# KiCad board mtk64_R_rev2.kicad_pcb (continued)
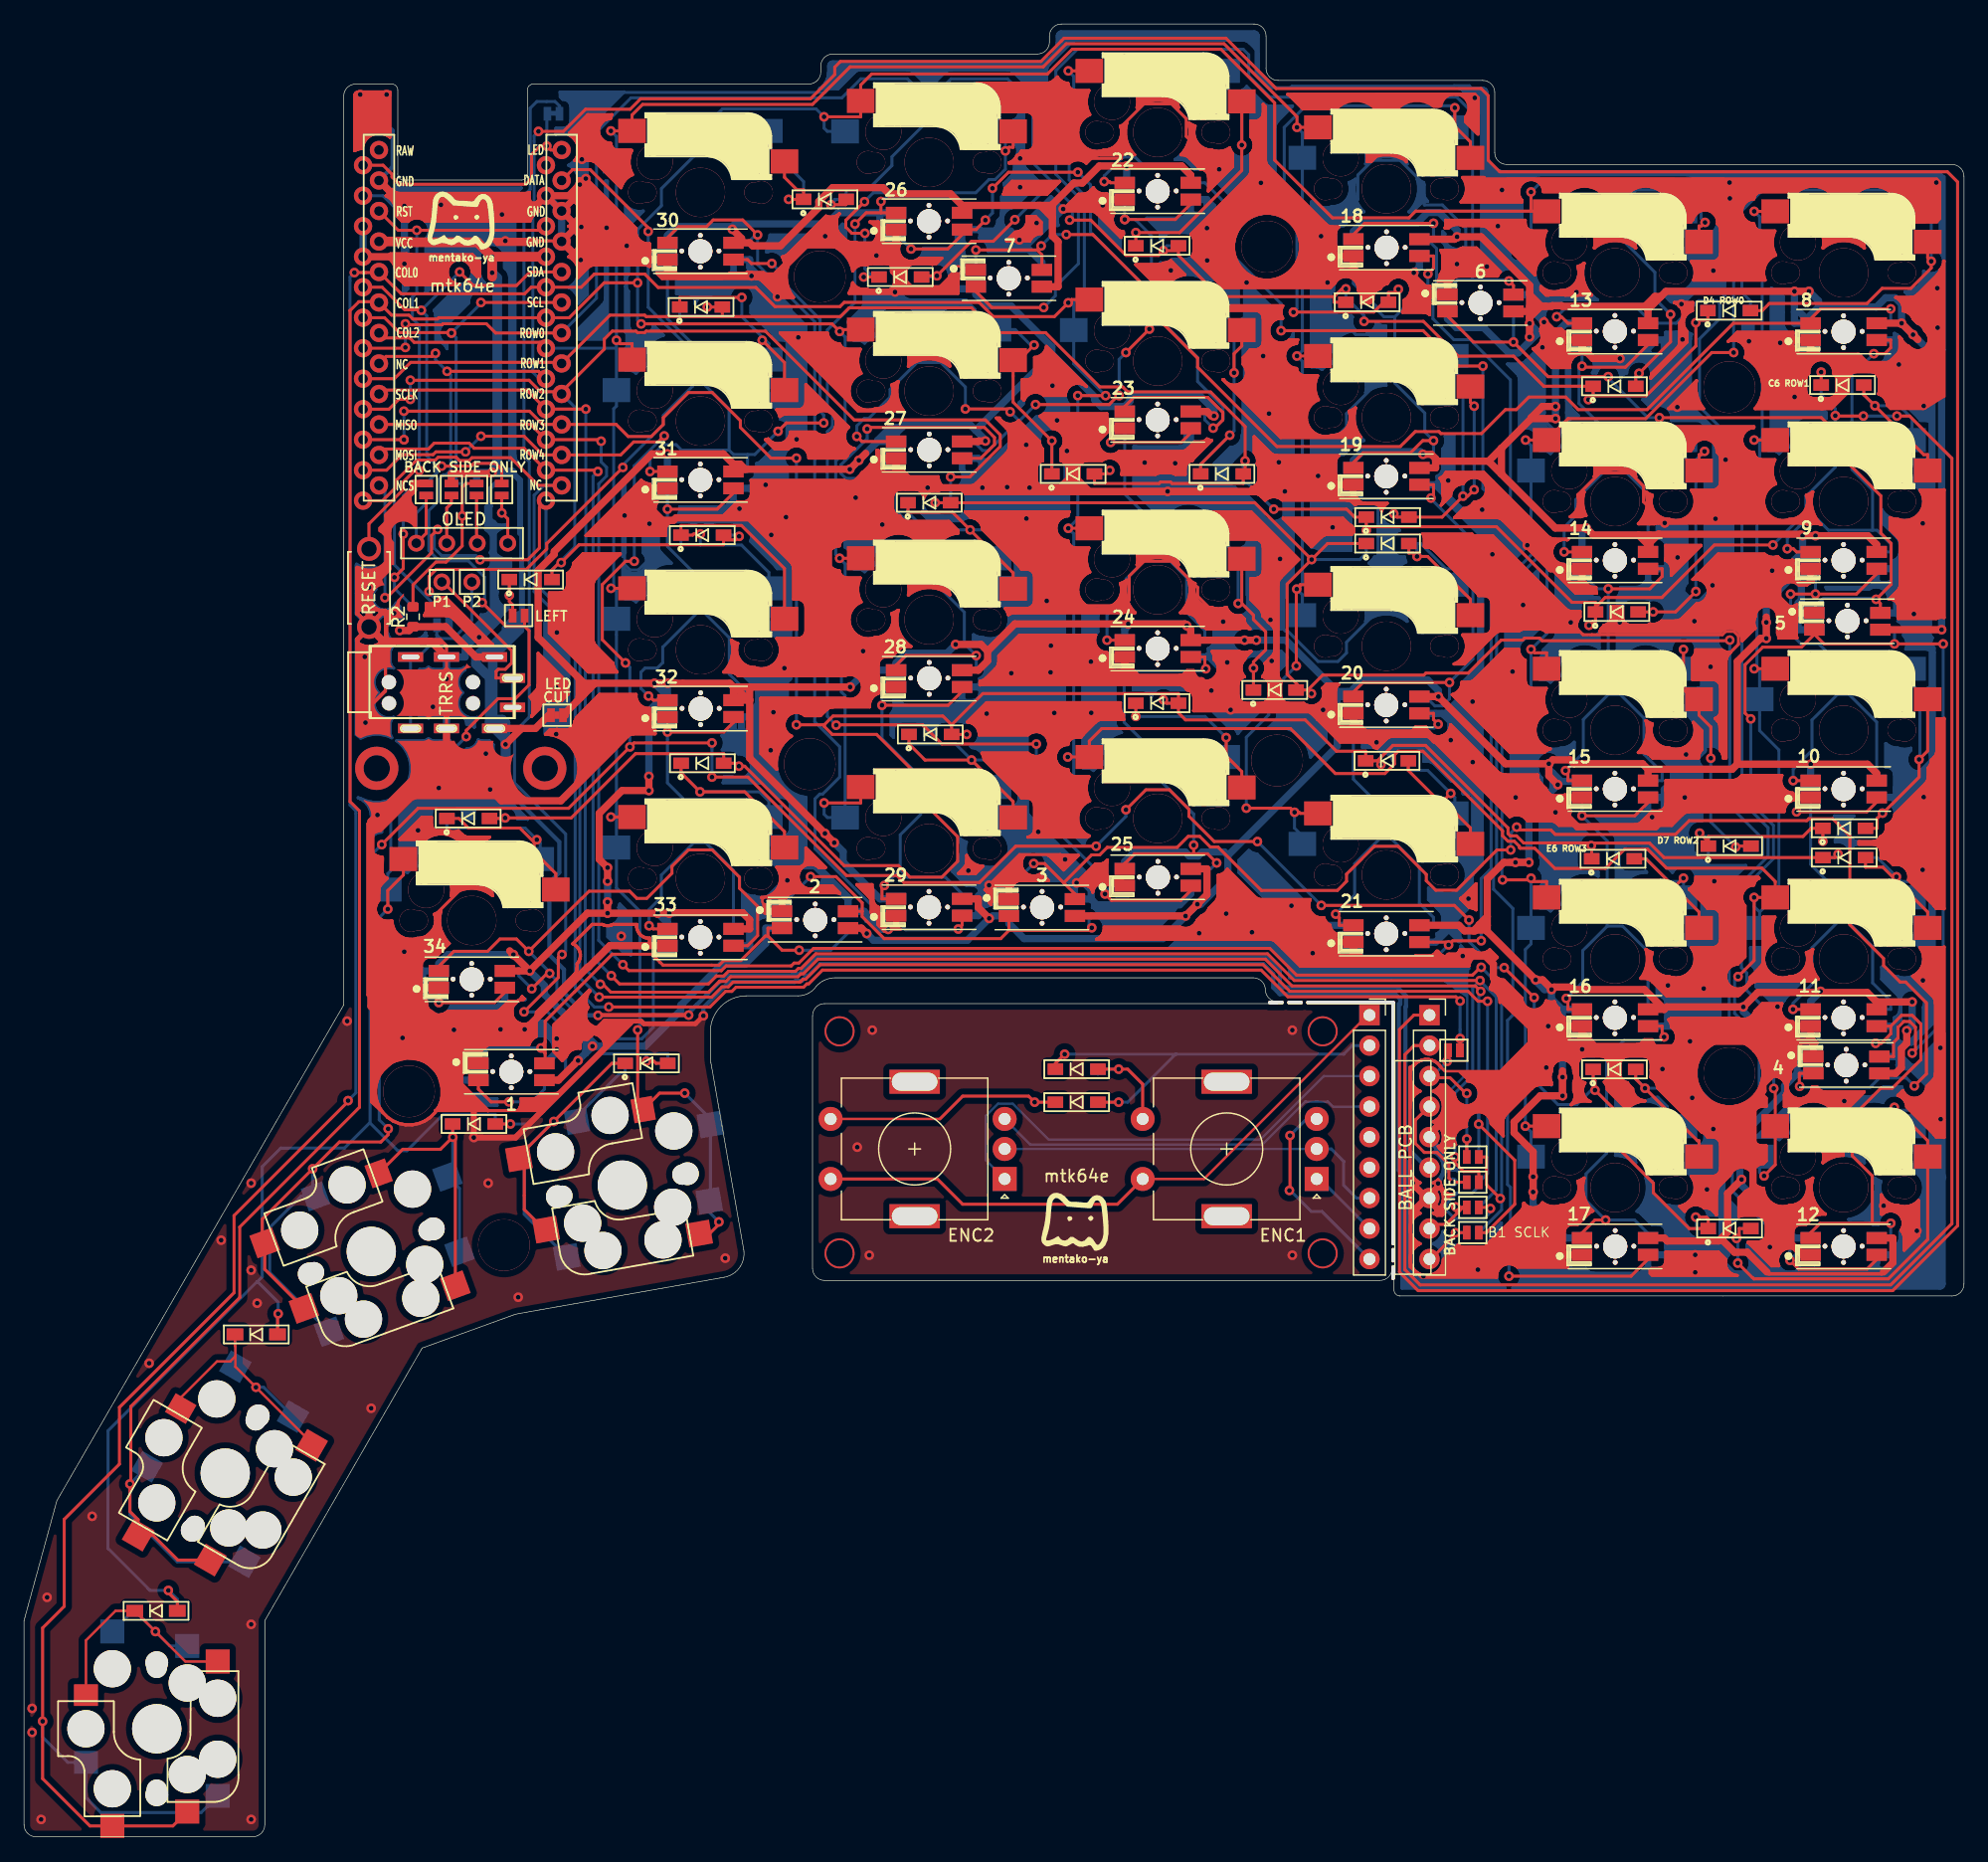
[diagram p0: board, top side]
## Routing (per net, layer and track width the routed paths; a pad name or vN(x,y) marks a point on that pad's centre or on a via; arc(x,y) is an arc through that point) (continued)
VCC: length 1220.7
  Top w0.3: 154.93,47.05 154.77,46.89 145.38,46.89 145.21,47.05
  Top w0.35: 47.81,68.44 v5(47.82,68.42) 47.85,68.45 v5(55.37,68.45)
  Top w0.6: 60.46,94.68 59.11,94.68 59.11,95.78 ; 60.46,94.68 60.34,94.68 59.24,95.78 59.11,95.78 ; 60.46,94.68 60.46,95.75 60.43,95.78 ; 60.46,94.68 60.46,89.85 v2(66.73,83.58) v2(67.51,82.8) ; 70.13,115.24 68.8,113.91 60.09,113.91 ; 136.17,108.5 136.1,108.43 135.48,108.43 ; 136.17,108.5 135.31,107.64 ; 136.17,108.5 148.06,108.5 148.18,108.38 153.63,108.38 154.36,107.64 154.36,107.03 ; 154.36,49.88 155.71,49.88 155.71,47.83 154.93,47.05 ; 125.45,128.67 125.45,128.46 126.42,127.49 126.77,127.49 ; 125.45,128.67 125.45,127.49 ; 125.45,128.67 125.45,129.23 121.4,133.28 v2(119.4,133.28) 119.2,133.08 116.26,133.08 ; v2(52.07,88.33) v2(52.07,87.15) 49.82,87.15 47.93,85.25 47.93,81.42 v2(48.62,80.73) 48.62,79.6 ; v2(59.02,133.9) 59.79,133.14 59.79,132.78 ; 149.68,70.33 144.45,70.33 v2(143.25,69.13) 136.86,69.13 136.66,68.93 ; 149.68,70.33 153.57,70.33 154.36,69.54 ; 149.68,70.33 v2(149.68,70.43) ; v2(68.83,95.78) 60.43,95.78 ; 60.43,95.78 59.11,95.78 ; 125.45,127.49 126.37,127.49 ; 125.45,127.49 125.45,127.07 125.44,127.06 ; 135.31,88.93 142.32,88.93 142.74,89.35 ; 135.31,88.93 135.31,87.98 ; 135.31,88.93 134.85,89.38 129.14,89.38 128.81,89.71 127.37,89.71 v2(127.05,89.38) ; 121.91,75.93 121.91,75.41 ; 121.91,75.93 121.91,76.65 ; 121.91,75.93 121.23,75.93 ; 121.91,75.41 125.95,71.38 126.52,71.38 127.28,70.63 ; 121.91,75.41 121.8,75.53 120.98,75.53 120.91,75.46 120.77,75.46 ; 154.59,63.59 155.94,63.59 156.42,64.07 156.42,65.65 156.87,66.1 156.87,67.14 ; v2(48.62,77.87) v2(48.62,76.93) ; v2(48.62,76.93) 46.95,76.93 v2(42.14,72.13) ; v2(48.62,76.93) 53.76,76.93 53.8,76.98 59.87,76.98 60.46,76.38 60.46,75.63 59.11,75.63 ; 135.48,108.43 134.52,108.43 ; 135.48,108.43 135.48,107.19 135.31,107.03 135.31,107.64 ; 145.16,101.6 145.16,99.82 144.68,99.82 142.74,97.89 142.74,89.35 ; 78.16,116.23 79.51,116.23 79.55,116.27 v2(80.1,116.27) ; 154.36,69.54 v2(157.32,69.54) ; 154.36,69.54 154.36,68.93 ; 85.68,135.89 85.68,134.88 ; 85.68,135.89 85.68,135.96 87.48,137.76 88.18,137.76 89.6,139.18 v2(91.88,139.18) 96.45,139.18 97.21,138.42 97.21,137.78 ; 85.68,135.89 84.47,135.89 ; 85.68,134.88 84.67,135.89 84.47,135.89 ; 85.68,134.88 85.68,133.35 86.16,132.87 86.16,129.12 84.81,129.12 ; 125.44,127.06 125.44,126.51 ; 125.44,127.06 124.1,127.06 ; 122.02,114.59 117.61,114.59 ; 122.02,114.59 123.06,113.55 ; 122.02,114.59 123.1,115.67 ; 117.61,114.59 117.61,114.03 116.26,114.03 ; 117.61,114.59 117.61,114.8 117.25,115.16 v2(116.56,115.16) ; 54.28,96.09 58.8,96.09 59.11,95.78 ; 54.28,96.09 v2(52.53,96.09) 47.57,96.09 ; 54.28,96.09 54.25,96.12 53.61,96.12 ; 80.29,98.76 79.73,99.32 77.62,99.32 ; 80.29,98.76 82.55,101.03 v2(92,101.03) 96.73,101.03 v2(96.88,100.88) 97.21,100.55 97.21,99.68 v2(101.69,99.68) 102.56,99.68 ; 80.29,98.76 80.29,97.95 79.51,97.18 78.16,97.18 ; 123.06,113.55 123.1,113.6 123.1,115.67 ; 123.06,113.55 127.59,109.02 v2(130.16,109.02) 130.75,108.43 134.52,108.43 ; 47.57,96.09 46.65,96.09 46.63,96.11 ; 47.57,96.09 47.11,95.63 ; 141.38,49.82 141.94,50.38 141.94,53.59 v2(143.1,54.75) ; 141.38,49.82 141.2,49.63 136.9,49.63 136.66,49.88 135.31,49.88 ; 141.38,49.82 142.51,48.69 143.58,48.69 145.21,47.05 ; 35.61,112.73 35.61,113.54 38.9,113.54 39,113.65 ; 135.31,107.64 134.52,108.43 ; v2(42.14,72.13) 40.06,72.13 ; v2(42.14,72.13) 40.47,73.8 ; 47.11,95.63 46.68,95.2 ; 47.11,95.63 46.63,96.11 ; 135.31,127.23 135.31,126.08 ; 135.31,127.23 136.39,128.31 ; 135.31,127.23 135.06,127.49 ; v2(31.3,100.48) 32.09,100.48 32.41,100.8 35.13,100.8 37.65,98.28 39.2,98.28 ; 148.72,128.73 v2(147.51,128.73) 136.81,128.73 136.39,128.31 ; 46.63,96.11 46.25,96.49 ; 46.63,96.11 46.63,95.25 46.68,95.2 ; 46.34,94.86 45.11,93.63 45.11,93.43 ; 46.34,94.86 46.25,94.95 46.25,96.49 ; 46.34,94.86 46.68,95.2 ; 59.11,132.78 59.79,132.78 ; 59.79,132.78 60.46,132.78 60.71,132.52 63.02,132.52 66.22,135.72 66.22,136.22 67.37,137.37 71.56,137.37 72.08,136.85 77.2,136.85 78.16,135.89 ; 78.16,135.28 78.16,135.89 ; 78.16,135.89 84.47,135.89 ; 97.21,80.63 98.56,80.63 98.56,78.48 v2(97.76,77.68) 96.78,76.71 87.56,76.71 ; 157.79,124.72 v2(156.44,126.08) 154.36,126.08 ; 39.2,92.33 41.39,92.33 ; 41.39,92.33 41.39,92.27 v2(40.12,91) ; 41.39,92.33 42.61,92.33 43.71,93.43 ; v2(127.27,70.57) 127.48,70.78 128.83,70.78 129.04,70.57 135.01,70.57 136.66,68.93 ; 37.73,132.89 39,131.62 ; 46.25,96.49 42.83,99.9 42.83,105.49 44.18,106.83 44.18,107.06 52.31,115.19 v2(53.61,115.19) 58.26,115.19 59.11,114.34 ; 135.06,127.49 128.15,127.49 128.1,127.54 127.35,127.54 127.3,127.49 126.77,127.49 ; 135.06,127.49 135.88,128.31 136.39,128.31 ; 120.77,75.46 120.02,75.46 119.56,75.93 116.26,75.93 ; 120.77,75.46 121.23,75.93 ; 60.09,113.91 59.66,114.34 59.11,114.34 ; 60.09,113.91 59.11,113.91 ; 142.74,89.35 v2(148.86,89.35) 153.6,89.35 154.36,88.58 154.36,87.98 ; 126.37,127.49 125.44,126.55 125.44,126.51 ; 126.37,127.49 126.77,127.49 ; 43.36,63.03 44.53,63.03 v2(46.17,64.66) ; 97.21,118.73 98.56,118.73 98.93,118.35 v2(99.15,118.35) ; 121.91,76.65 121.23,75.97 121.23,75.93 ; 121.91,76.65 121.91,79.78 123.29,81.16 v2(124.27,81.16) v2(125.38,81.16) ; 116.26,94.98 117.61,94.98 117.61,94.97 v2(117.84,94.97) 123.43,89.38 v2(127.05,89.38) ; 125.44,126.51 v2(125.44,126.06) 125.44,124.93 ; 125.57,118.14 125.57,118.21 126.51,119.15 v2(127.6,119.15) ; 125.57,118.14 123.1,115.67 ; 125.57,118.14 v2(127.6,118.14) ; 59.11,113.91 59.11,114.34 ; 59.11,113.91 59.11,113.73 ; v2(127.79,87.64) 127.05,88.38 v2(127.05,89.38) ; 78.16,78.13 79.51,78.13 79.51,77.41 v2(80.42,76.5) ; 128.19,63.8 v2(128.19,61.72) 126.33,61.72 124.15,59.54 124.15,58.64 125.73,57.06 125.73,53.32 ; v2(70.22,75.24) 69.77,75.69 68.66,75.69 ; 136.66,68.93 135.31,68.93 ; 154.67,100.55 v2(159.77,100.55)
  Top w0.8: v6(29.57,132.89) 32.18,132.89 32.24,132.82 37.8,132.82 39,131.62 ; 39,131.62 v6(43.49,131.62) ; 39,131.62 39,129.95
  Bottom w0.2: 127.88,68.88 127.87,68.93 127.87,68.96 127.87,69.01 127.84,69.03 127.7,69.18 127.58,69.35 127.51,69.53 127.5,69.56 127.37,69.54 ; 146.67,61.8 146.7,61.85 146.78,62.03 146.82,62.23 146.82,62.44 146.78,62.64 ; 128.33,67.81 128.32,68.03 128.33,68.15 128.35,68.22 128.34,68.22 128.21,68.29 128.09,68.39 128,68.5 ; 128.37,66.78 128.33,66.9 ; 147.6,64.49 147.6,64.7
  Bottom w0.3: 41.43,105.68 41.45,105.7 ; 41.45,108.47 41.33,108.59
  Bottom w0.35: 55.77,69.03 56.05,69.3 56.05,69.3 56.9,70.15 ; 55.77,69.03 55.37,68.63 v5(55.37,68.45) ; 55.77,69.03 55.63,68.89 ; 47.81,68.44 46.86,68.44 44.99,70.31 44.99,72.25 43.77,73.47 43.77,79.49 44.6,80.32 44.6,82.87 40.27,87.2 ; 116.87,55.75 115.1,57.53 115.1,69.11 115.14,69.16 115.14,70.05 114.43,70.76 104.83,70.76 104.63,70.96 104.63,72.11 103.49,73.25 65.97,73.25 64.57,71.85 64.06,71.85 63.96,71.75 58.5,71.75 56.9,70.15 ; 40.27,87.2 40.12,87.35 40.12,87.76 ; 40.27,87.2 40.36,87.28 40.36,91.05 39.2,92.21 39.2,92.33 ; 56.9,70.15 56.89,70.15
  Bottom w0.4: 41.45,105.7 41.45,108.47
  Bottom w0.5: 41.48,100.76 41.48,105.68 ; 41.33,108.59 41.33,112.99 40.67,113.65 ; 40.6,100.76 41.31,100.76 41.43,100.87 41.43,100.5 39.2,98.28
  Bottom w0.6: 125.44,124.56 125.44,124.93 125.81,124.93 126.15,125.27 ; 125.44,124.56 124.48,123.6 123.72,123.6 121.61,125.71 119.34,125.71 118.6,126.45 118.6,127.06 ; 125.44,124.56 126.15,125.27 ; 79.31,128.95 73.92,128.95 72.43,130.44 72.43,131.85 71.31,132.97 71.31,135.28 ; 79.31,128.95 79.31,129.12 ; 79.31,128.95 79.31,128.47 80.27,127.51 82.24,127.51 85.64,124.11 85.64,123.51 ; 37.86,63.03 36.41,63.03 33.21,66.23 33.21,72.13 34.56,72.13 34.56,72.73 35.31,73.49 40.78,73.49 v2(42.14,72.13) 43.36,70.9 43.36,70.17 44.79,68.74 44.82,68.74 46.8,66.76 ; 91.71,119.14 92.14,119.57 92.14,119.85 92.4,120.11 97.9,120.11 99.15,118.87 v2(99.15,118.35) ; 91.71,119.14 89.75,119.14 89.21,119.67 89.21,119.93 85.64,123.51 ; 91.71,119.14 91.71,118.73 ; 128.06,87.91 v2(127.79,87.64) 127.45,87.3 ; 128.06,87.91 129.75,87.91 129.81,87.98 ; 128.06,87.91 127.38,88.59 ; 53.61,94.68 52.95,94.68 52.07,93.79 v2(52.07,88.33) ; 53.61,94.68 53.61,96.12 v2(53.64,96.09) v2(52.53,96.09) 53.61,95.01 53.61,94.68 ; v2(159.77,100.55) 159.77,122.74 v2(157.39,125.12) v2(156.44,126.08) 156.44,127.65 155.89,128.2 155.11,128.2 154.34,127.43 149.51,127.43 ; 77.62,99.32 76.89,98.58 73.45,98.58 72.66,97.79 72.66,97.18 70.23,97.18 v2(68.83,95.78) ; v2(130.16,109.02) 129.81,108.67 129.81,107.03 ; 63.16,75.69 61.81,75.69 61.81,74.43 60.06,72.68 58.13,72.68 54.72,69.27 54.72,68.83 51.74,65.85 47.73,65.85 ; 53.61,132.78 53.61,133.38 54.35,134.13 59.02,134.13 ; 59.02,134.13 59.25,134.36 66.9,134.36 67.82,135.28 71.31,135.28 ; 59.02,134.13 v2(59.02,133.9) ; 85.64,123.51 79.29,117.16 ; 148.16,126.08 148.86,126.08 147.95,126.99 147.51,126.99 ; 148.16,126.08 149.51,127.43 ; 148.16,126.08 147.51,126.08 147.51,126.99 ; 147.51,104.79 147.16,104.79 145.16,102.79 v2(145.16,101.16) 145.16,99.82 ; 147.51,104.79 148.09,104.21 148.09,103.04 147.82,102.77 147.82,100.55 149.17,100.55 ; 147.51,104.79 147.51,106.35 148.18,107.03 ; 147.51,126.99 v2(147.51,128.73) ; 110.76,133.08 110.76,133.72 111.47,134.43 116.06,134.43 116.94,135.3 117.92,135.3 119.4,133.82 v2(119.4,133.28) ; 39,113.65 37.82,113.65 37.71,113.54 37.71,112.73 ; 91.71,137.78 91.88,137.94 v2(91.88,139.18) ; 72.66,116.23 72.22,116.67 72.22,117.41 ; 72.66,116.23 71.12,116.23 ; 72.66,116.23 72.66,116.91 73.34,117.59 78.86,117.59 79.29,117.16 ; 126.22,125.27 127.6,125.27 ; 126.22,125.27 126.15,125.27 ; 126.22,125.27 v2(125.44,126.06) ; 127.6,125.27 127.66,125.27 128.46,126.08 129.81,126.08 ; 127.6,125.27 v2(127.6,119.15) v2(127.6,118.14) ; 39.2,98.28 37.65,98.28 37.65,97.6 38.7,96.56 38.7,92.83 39.2,92.33 ; 149.51,127.43 149.51,127.94 148.72,128.73 ; 147.74,63.59 147.74,64.26 143.25,68.75 v2(143.25,69.13) ; 147.74,63.59 149.09,63.59 ; 147.74,63.59 146.68,62.54 146.68,61.96 142.96,58.24 142.96,54.9 v2(143.1,54.75) 143.1,54.28 147.51,49.88 148.86,49.88 ; 32.41,100.8 32.09,100.48 v2(31.3,100.48) ; 47.36,65.85 46.78,65.27 46.8,65.29 46.8,66.41 ; 47.36,65.85 46.8,66.41 ; 47.36,65.85 47.73,65.85 ; 47.36,65.85 v2(46.17,64.66) ; 110.76,94.98 110.34,95.4 109.41,95.4 ; 110.76,94.98 110.76,95.63 111.5,96.37 116.95,96.37 117.84,95.47 v2(117.84,94.97) ; 110.76,94.98 109.41,94.98 ; 79.29,117.16 80.1,116.35 v2(80.1,116.27) ; 71.12,116.23 71.12,116.32 72.22,117.41 ; 71.12,116.23 68.8,113.91 ; v2(149.68,70.43) 148.86,69.6 148.86,68.93 ; 72.66,135.28 71.31,135.28 ; 72.22,117.41 73.15,117.41 73.34,117.6 ; v2(127.05,89.38) 127.05,88.93 127.38,88.59 ; v2(102.68,99.68) v2(101.69,99.68) ; v2(102.68,99.68) 105.13,99.68 109.41,95.4 ; v2(102.68,99.68) 102.59,99.68 ; 109.41,94.98 109.41,95.4 ; 109.41,94.98 109.41,90.84 100.31,81.74 ; 127.38,88.59 127.38,87.37 127.45,87.3 ; 91.71,99.68 91.71,100.59 92.21,101.09 92.45,101.09 ; 100.31,81.74 100.31,79.93 ; 100.31,81.74 100.01,82.03 98.16,82.03 97.83,81.7 97.08,81.7 96.75,82.03 92.51,82.03 91.71,81.23 91.71,80.63 ; 54.17,76.93 52.8,76.93 53.61,76.13 53.61,75.63 53.61,76.79 53.76,76.93 ; 48.62,79.6 v2(48.62,77.87) ; 156.87,67.14 157.32,67.59 v2(157.32,69.54) ; 128.19,68.93 128.14,68.93 127.27,69.8 v2(127.27,70.57) 126.67,70.57 125.95,71.3 125.95,71.38 ; 128.19,68.93 v2(128.19,61.72) ; 128.19,68.93 129.81,68.93 ; 46.8,66.76 46.82,66.76 47.73,65.85 ; 46.8,66.76 46.8,66.41 ; v2(67.51,82.8) 68.25,82.06 68.25,81.18 71.31,78.13 72.66,78.13 ; 123.83,81.16 v2(125.38,81.16) 125.38,85.23 127.45,87.3 ; 149.48,108.38 148.18,108.38 148.18,107.03 ; 100.31,79.93 98.06,77.68 v2(97.76,77.68) v2(96.78,76.7) 94.9,74.82 83.32,74.82 82.06,76.08 82.06,76.71 80.71,76.71 80.5,76.5 v2(80.42,76.5) 78.6,74.68 70.78,74.68 v2(70.22,75.24) ; 100.31,79.93 104.31,75.93 110.76,75.93 ; 110.76,114.03 110.76,114.65 111.49,115.38 116.34,115.38 v2(116.56,115.16) ; v2(96.88,100.88) 96.73,101.03 92.45,101.03 ; 148.86,87.98 v2(148.86,89.35) ; 148.86,107.03 148.18,107.03 ; 125.73,54.98 125.73,52.6 128.46,49.88 129.81,49.88 ; 53.61,113.73 v2(53.61,115.19)
  Bottom w0.8: 38.49,96.87 37.65,97.7 37.65,98.28 38.02,98.65 38.49,98.65 40.6,100.76 40.6,101.12 ; 40.19,100.64 41.27,101.72 ; 39.05,93.06 39.05,98.13 39.2,98.28 ; 39.05,93.06 39.05,92.48 40.12,91.41 v2(40.12,91) ; 39.05,93.06 39.85,93.06 40.12,92.79 v2(40.12,91) ; v2(40.12,91) 40.12,87.76 ; 39,131.62 39,130.28 39.43,129.85 39.43,114.08 39,113.65 40.67,113.65
  vias: v2(39,131.62) v2(39,130.28) v2(39,113.65) v2(40.78,73.49) v2(47.36,65.85) v2(48.62,79.6) v2(52.8,76.93) v2(53.76,76.93) v2(68.81,113.91) v2(69.56,114.66) v2(77.62,99.32) v2(125.44,124.93) v2(125.74,54.98) v2(125.74,53.71) v2(125.95,71.38) v2(128.19,63.28) v2(145.16,99.82) v2(148.19,108.38) v2(148.72,128.73) v2(149.26,108.38) v2(156.87,67.14) v11(38.55,98.28) v11(38.55,92.33)
(no net): length 5617.5
  Top w0.2: REF**#5.1 111.96,68.45 98.31,54.8 ENC1.S2 ; D24#2.2 17.57,40.9 17.61,40.86 17.61,40.03 ; SW4.1 13.45,14.6 v5(10.95,17.1) D24.2 7.62,18.82 5.16,16.36 SW4.2 ; SW3.2 13.06,36.58 16.07,39.6 17.18,39.6 17.61,40.03 ; 17.61,40.03 SW3.1 v5(19.32,37.45) 23.97,32.81 SW3.1 ; ENC2.S1 76.31,59.8
  Top w0.25: 84.13,81.07 85.02,81.07 86.62,79.46 ; v2(146.91,107.29) 147.42,107.29 147.68,107.03 148.86,107.03 ; v2(125.11,116.35) 126.86,116.35 128.65,118.13 135.12,118.13 140.62,123.63 v2(142.44,123.63) ; 51.86,64.6 52.48,64.6 52.66,64.43 53.63,64.43 ; 63.36,101.46 63.36,105.65 59.78,109.23 54.73,109.23 54.73,108.43 55.71,108.43 55.82,108.53 56.35,108.53 ; 64.36,114.84 62.24,114.84 59.68,117.4 59.68,117.96 57.34,120.3 55.36,120.3 53.26,118.21 53.26,117.64 52.26,116.64 50.34,116.64 49.34,117.65 v6(44.79,117.65) 43.22,117.65 42.12,118.75 v2(31.65,118.75) ; 153.28,120.93 153.28,120.13 158.28,115.13 158.61,115.13 158.61,113.81 ; 43.98,104.73 43.98,105.53 44.6,106.14 44.76,106.14 46.25,107.63 58.29,107.63 58.29,108.03 ; 35.71,58.28 35.71,59.38 ; 35.71,58.28 34.7,57.27 31.56,57.27 29.55,55.26 ; 35.71,58.28 v5(35.73,58.27) 35.93,58.06 35.93,45.9 ; 155.84,79.8 158.61,77.03 158.61,75.71 ; 155.84,79.8 154.88,80.76 153.44,80.76 153.44,81.57 ; 155.84,79.8 156.01,79.97 ; v2(147.39,68.93) 148.86,68.93 ; v2(128.43,88.81) 128.63,88.61 128.63,87.98 129.81,87.98 ; 43.49,138.96 v6(43.49,139.24) 43.49,138.96 ; 43.49,138.96 43.49,138.69 ; v2(53.61,92.03) 58.3,92.03 59.11,92.83 59.11,93.28 59.11,92.89 ; 84.81,130.52 84.81,131.78 84.41,132.18 ; 107.81,123.35 v2(106.06,123.35) ; v2(38.07,116.66) 41.66,116.66 43.22,115.11 v6(44.79,115.11) 49.71,115.11 50.8,116.19 52.84,116.19 v5(53.34,116.69) ; 54.74,89.43 54.74,88.63 56.33,87.04 60.05,87.04 63.36,83.73 63.36,82.41 ; 37.71,112.73 36.81,112.73 36.51,112.42 36.51,107.52 35.16,106.18 34.31,106.18 32.41,104.28 32.41,102.45 ; 53.61,94.68 52.43,94.68 52.09,95.02 52.03,95.02 ; 38.79,84.83 39.76,84.83 39.8,84.87 v2(40.09,84.87) 45.59,84.87 50.95,90.23 58.29,90.23 58.29,89.43 59.27,89.43 59.52,89.18 60.05,89.18 68.33,80.9 72.86,80.9 73.81,79.94 76.47,79.94 77.79,81.25 77.79,83.31 74.89,86.2 74.89,87.97 71.03,91.83 67.34,91.83 66.67,92.49 66.67,92.63 ; v6(43.49,134.16) 43.15,133.82 31.18,133.82 v6(29.57,135.43) ; v2(151.15,81.85) 150.86,81.57 136.65,81.57 135.44,82.77 130.85,82.77 130.62,82.54 ; 78.16,95.78 78.16,95.42 77,94.25 v2(71.48,94.25) ; v2(124.37,84.1) 124.37,83.86 127.21,83.86 127.58,83.49 137.59,83.49 138.74,84.64 148.54,84.64 148.7,84.81 150.69,84.81 152.12,83.37 152.12,75.97 154.93,73.16 154.93,72.58 156.31,71.2 156.77,71.2 158.5,69.47 158.5,63.55 v2(157.5,62.54) ; v2(30.86,104.91) 31.59,105.64 v2(31.59,108.52) ; v2(29.8,82.65) 32.83,85.67 45.37,85.67 v2(50.48,90.78) ; v5(86.96,89.95) 88.76,89.95 88.76,91.27 89.8,92.31 105.52,92.31 109.27,88.57 113.39,88.57 114.19,89.37 114.19,90.13 114.49,90.43 116.56,90.43 123.19,83.79 123.19,83.38 123.64,82.93 124.17,82.93 124.59,82.5 124.59,82.39 124.64,82.34 125.87,82.34 127.55,80.66 131.76,80.66 133.36,82.27 135.27,82.27 136.85,80.69 144.79,80.69 145.91,79.57 145.91,78.25 144.15,78.25 144.15,72.99 v2(142.81,71.65) ; v2(79.31,132.18) 84.41,132.18 ; 84.41,132.18 v2(84.74,132.52) ; v2(33.75,103.73) 33.75,104.98 34.34,105.57 41.85,105.57 43.55,107.27 43.55,107.73 49.89,114.07 ; 106.55,95.53 105.24,96.83 105.24,104.35 v2(107.28,106.39) ; 106.55,95.53 106.96,95.53 ; 106.55,95.53 105.99,95.53 ; 71.4,135.28 70.17,135.28 v2(69.24,134.34) ; 71.4,135.28 72.66,135.28 ; 71.4,135.28 71.4,136.22 ; 43.42,66.19 43.42,65.26 ; 43.42,66.19 43.07,65.84 v2(43.07,65.71) 43.07,65.61 43.42,65.26 ; 43.42,66.19 43.42,67.94 45.87,70.39 45.88,70.39 49.01,73.52 52.32,73.52 53,72.84 53.01,72.84 53.24,72.61 57.31,72.61 57.31,72.6 57.92,72.6 58.31,72.99 59.73,72.99 61.77,75.03 61.98,75.03 ; 43.42,65.26 43.42,64.49 43.36,64.43 ; 82.41,122.52 82.42,122.52 v2(84.16,124.26) ; 82.41,122.52 82.41,123.01 ; 82.41,122.52 82.41,119.5 85.64,116.28 85.64,113.53 ; 109.16,128.29 109.81,128.94 110.14,128.94 ; 109.16,128.29 109.16,127.83 110.14,127.83 ; 109.16,128.29 99.62,128.29 96.19,131.73 96.19,132.13 ; 149.09,63.59 147.91,63.59 147.91,62.54 v2(147.94,62.51) ; 79.31,129.12 79.31,128.72 80.64,127.39 84.96,127.39 ; 97.21,79.23 97.21,78.82 96.39,78 90.6,78 v2(90.06,78.53) ; 154.36,124.68 155.54,124.68 155.54,124.04 155.04,123.54 154.12,123.54 ; v6(34.81,104.53) 34.9,104.53 40.63,98.8 40.63,97.78 40.1,97.25 39.51,97.25 39.33,97.07 39.33,96.53 40.7,96.53 ; v2(63.7,136.4) 64.96,136.4 64.96,137.2 64.39,137.2 63.36,138.23 63.36,139.56 ; 139.56,94.27 139.56,93.43 140.54,92.45 v2(140.54,89.84) ; 139.56,94.27 138.26,95.57 v2(138.26,98.9) ; 139.56,94.27 139.56,94.76 ; ENC2.S2 76.1,54.8 78.21,52.69 91.1,52.69 ENC1.S2 ; v2(88.96,75.72) 88.74,75.49 82.06,75.49 ; SW4.2 12.4,0.9 SW4.1 5.5,0.9 1.55,4.85 v5(1.55,9.62) 1.55,17.4 3.35,19.2 3.35,26.45 7.95,31.05 7.95,35.77 17.5,45.32 17.5,51.75 27,61.25 v5(27,61.32) ; 44.79,120.37 v6(44.79,120.19) ; 44.79,120.37 43.04,120.37 42.08,121.33 v2(32.18,121.33) ; 44.79,120.37 48.35,123.92 48.35,124.75 49.02,125.42 50.99,125.42 51.11,125.3 51.72,125.3 51.84,125.42 61.77,125.42 69.17,118.02 80.1,118.02 81.34,116.78 81.34,115.81 78.81,113.28 v5(77.21,113.28) ; 62.83,117.07 63.52,117.77 v2(66.63,117.77) ; v2(50.84,106.25) 50.12,106.25 48.18,104.31 48.18,99.72 50.11,97.78 ; v2(107.28,106.39) 108.61,107.73 111.84,107.73 ; v2(107.28,106.39) 102.54,111.13 75.92,111.13 ; 80.69,137.32 82.03,138.66 87.8,138.66 ; 134.16,81.47 135.14,81.47 137.49,79.11 ; 121.41,74.63 119.03,74.63 v2(118.69,74.29) 118.46,74.53 116.26,74.53 ; 123.72,129.6 124.1,129.22 124.1,128.46 ; v2(147.68,85.37) 153.54,85.37 154.36,86.19 154.36,86.58 ; 78.16,76.73 78.16,75.93 77.84,75.61 ; 66.67,92.63 67.41,93.36 76.55,93.36 77.28,92.63 ; 66.67,92.63 64.36,92.63 ; 101.46,144.56 v2(101.46,140.92) 101.46,138.81 96.28,133.63 v2(92.64,133.63) 92.64,132.53 ; 110.76,114.03 110.76,114.47 111.57,115.28 115.52,115.28 116.54,116.3 117.44,116.3 ; 118.6,127.06 118.6,126.68 120.77,124.51 v2(124.1,124.51) 126.98,121.63 131.99,121.63 ; 139.56,75.71 139.56,77.03 137.49,79.1 137.49,79.11 ; 139.56,56.66 139.56,57.98 139.43,57.98 134.28,63.12 134.28,63.93 ; 50.66,84.95 v2(48.9,84.95) ; 118.25,86.29 117.87,86.29 115.34,88.83 115.34,89.63 ; 118.25,86.29 v2(118.87,86.91) ; 118.25,86.29 120.51,84.03 120.51,82.71 ; v2(118.76,96.15) 111.57,96.15 110.76,95.34 110.76,94.98 ; 106.96,95.53 108.2,96.77 116.63,96.77 116.8,96.93 120.33,96.93 123.08,99.68 124.86,99.68 125.02,99.85 126.27,99.85 126.49,99.63 142.07,99.63 142.12,99.68 ; 106.96,95.53 107.27,95.22 ; 91.71,118.73 91.71,119.14 92.47,119.9 98.63,119.9 99.88,118.65 99.88,118.01 99.21,117.34 99.07,117.34 ; 82.06,76.71 82.06,75.49 ; 82.06,75.49 81.38,74.82 71.67,74.82 69.83,76.65 69.83,77.09 ; v2(155.54,127.27) 149.69,127.27 148.86,126.44 148.86,126.08 142.42,126.08 135.23,118.88 129.5,118.88 128.45,119.93 125.38,119.93 124.34,118.88 123.43,118.88 121.43,116.88 118.06,116.88 117.89,117.05 115.91,117.05 114.67,115.81 104.39,115.81 97.78,122.42 97.78,123.17 95.05,125.9 95.05,127.46 89.05,133.46 86.84,133.46 ; v2(98.46,97.29) 98.39,97.37 98.39,98.28 97.21,98.28 ; 120.51,139.86 120.51,141.18 119.21,142.48 119.21,144.02 ; v2(147.4,87.98) 148.86,87.98 ; 139.56,132.86 139.56,134.18 139.77,134.18 v2(140.06,134.48) ; 112.76,89.63 111.78,89.63 111.78,90.43 109.35,90.43 106.75,93.03 96.78,93.03 96.19,93.63 96.19,94.43 ; 112.76,89.63 114.05,90.91 116.77,90.91 123.64,84.03 123.64,83.56 123.83,83.38 124.35,83.38 124.94,82.79 130.36,82.79 v2(130.59,82.57) 130.62,82.54 ; 112.76,89.63 v2(113.06,89.33) ; 107.81,104.3 106.33,104.3 106.33,104.22 106,103.89 v2(106,97.53) ; 155.54,67.53 156.43,68.42 157.32,68.42 158.04,67.7 158.04,64.74 155.65,62.35 154.7,62.35 152.32,59.97 152.32,56.72 153.99,55.05 153.99,51.1 ; 155.54,67.53 155.54,66.88 154.75,66.1 154.27,66.1 ; 155.54,67.53 154.36,67.53 ; 149.17,100.55 149.17,100.17 ; 149.17,100.17 149.97,99.36 v2(155.84,99.36) v2(159.9,99.36) ; 149.17,100.17 148.1,99.1 144.86,99.1 143.39,97.62 143.39,93.6 v2(143.87,93.12) ; v2(64.59,73.85) 63.17,73.85 61.98,75.03 ; v6(28.25,124) 31.71,124 31.77,124.06 ; v2(100.82,121.95) 100.82,123.54 101.46,124.18 101.46,125.51 ; 97.21,136.38 97.21,136.01 95.92,134.72 v5(91.71,134.72) ; v2(79.34,98.39) 73.46,98.39 72.66,97.59 72.66,97.18 ; 68.5,136.4 68.5,136 68.46,135.95 67.22,135.95 ; 102.44,95.53 v2(102.44,97.35) 102.44,97.86 103.45,98.88 103.45,100.38 102.44,101.39 102.44,101.76 101.46,102.73 ; 91.81,85.55 93.47,87.21 95.43,87.21 97.06,85.58 97.06,85 99.16,82.9 102.76,82.9 ; 57.32,91.12 50.81,91.12 v2(50.48,90.78) ; 90.23,99.68 91.71,99.68 ; D1.1 85.93,64.42 v5(86.71,65.19) ; SW2.1 57.13,50.25 57.9,51.02 v5(57.9,51.22) ; 140.34,82.53 140.34,82.93 ; 140.34,82.93 140.34,83.33 148.22,83.33 148.9,84.01 149.5,84.01 ; 140.34,82.93 140.29,82.93 139.61,83.6 ; v5(105.43,53.84) 105.48,53.89 v5(105.48,58.42) ; v2(82.16,118.7) 81.93,118.94 78.43,118.94 ; 140.02,115.41 139.74,115.13 139.56,115.13 139.56,113.81 ; 69.71,87.45 69.71,86.12 v2(66.66,86.12) ; 67.67,92.6 67.7,92.63 74.88,92.63 76.48,91.03 v2(84.34,91.03) ; 148.86,49.88 148.86,50.32 149.65,51.1 153.99,51.1 ; 153.99,51.1 v2(155.54,51.1) ; D24.1 12.77,19.6 12.06,20.31 12.06,20.48 v5(12.02,20.52) ; v6(44.79,137.97) 45.7,138.87 47.17,138.87 52,134.03 v2(52,133.73) ; 154.36,105.63 154.36,105.21 152.67,103.52 v2(147.19,103.52) ; 117.44,134.4 111.7,134.4 110.76,133.46 110.76,133.08 ; 149.5,84.01 149.88,83.64 149.88,82.92 ; 149.5,84.01 149.88,84.01 ; 109.29,76.86 109.58,76.56 109.58,75.93 110.76,75.93 ; 129.81,126.08 128.63,126.08 128.09,126.62 v2(127.7,126.62) ; v2(50.48,90.78) 50.59,90.68 ; 101.46,106.46 101.46,102.73 ; v2(120.39,76.36) 119.18,77.58 v2(108.08,77.58) ; 78.55,91.83 77.28,91.83 77.28,92.63 ; v2(99.37,81.12) 98.62,81.88 97.45,81.88 ; v2(42.3,70.64) 43.59,71.92 43.79,71.92 ; 154.67,101.95 154.67,102.72 v2(154.31,103.08) 155.56,104.33 155.56,107.74 154.71,108.59 154.71,111.69 152.2,114.2 152.2,115.76 149.75,118.21 v2(136.26,118.21) ; 126.86,78.25 126.86,79.57 125.7,79.57 125.56,79.71 ; 61.98,75.03 61.98,75.69 63.16,75.69 ; 21.12,41.85 21.12,43.52 v5(21.18,43.57) ; 125.56,79.71 123.19,79.71 ; 125.56,79.71 v2(125.56,79.85) ; 81.77,140.43 82.07,140.73 82.41,140.73 82.41,142.06 ; ENC1.S1 93.21,62.69 91.96,63.94 v5(91.21,63.94) D1.2 ; 35.23,84.83 36.23,84.83 37.03,84.02 41.32,84.02 42.51,82.83 ; v6(28.25,129.08) 29.84,129.08 31.72,127.2 33.06,127.2 v2(33.1,127.15) ; 70.25,117.27 70.38,117.4 80.02,117.4 80.86,116.56 80.86,115.98 79.71,114.83 78.16,114.83 ; v2(48.9,142.1) 50.66,142.1 50.66,143.42 51.54,144.3 65.7,144.3 68.82,147.43 84.91,147.43 86.83,149.35 99.99,149.35 106.06,143.28 v2(106.06,142.4) 107.81,142.4 ; 130.74,120.03 135.14,120.03 139.29,124.18 139.29,126.12 139.49,126.33 140.3,126.33 140.3,127.13 ; 130.74,120.03 130.74,120.83 126.62,120.83 124.11,123.33 119.49,123.33 116.59,126.23 111.65,126.23 ; 130.74,120.03 130.66,120.03 v2(130.34,119.71) ; 43.36,64.43 43.36,64.79 ; 43.36,64.43 43.77,64.43 ; 51.13,67.21 51.13,61.04 SW2.2 52.96,61.95 v5(55.05,61.95) ; 137.49,79.11 138.23,79.85 v2(138.26,79.85) ; 86.62,79.46 88.95,81.79 89.63,81.79 90.25,82.42 96.08,82.42 97,83.33 97.95,83.33 98.84,82.44 99.48,82.44 103.1,78.83 109.42,78.83 110.19,79.59 110.19,80.19 112.51,82.5 114.49,82.5 116.83,80.16 116.83,79.64 117.63,78.85 119.37,78.85 122.72,82.2 123.87,82.2 ; 86.62,79.46 87.56,78.53 87.56,78.11 ; v2(101.84,85.68) 105.51,85.68 v2(105.86,85.34) 106.24,85.34 106.33,85.25 107.81,85.25 ; 154.59,64.99 155.76,64.99 155.76,66.17 156.14,66.54 156.14,67.44 156.62,67.92 157.12,67.92 157.59,67.44 157.59,65.55 v2(157.32,65.28) ; 72.66,78.13 71.48,78.13 71.48,79.04 v2(71.69,79.24) ; 72.66,116.23 69.81,116.23 v2(69.39,116.65) ; 66.66,143.27 69.71,143.27 69.71,145.92 70.63,146.84 85.28,146.84 87.34,148.9 99.72,148.9 104.2,144.43 104.2,139.67 109.02,134.85 115.39,134.85 115.95,135.41 125.56,135.41 ; 53.61,113.73 52.16,113.73 ; 50.09,64.43 48.98,64.43 v5(44.14,59.58) 41.04,56.48 41.68,55.84 41.68,52.25 43.41,50.52 ; v6(29.57,130.35) 30.84,129.08 30.89,129.08 31.44,128.53 41.72,128.53 42.26,129.08 v6(43.49,129.08) 46.42,129.08 47.52,130.17 51.72,130.17 52.84,129.05 60.98,129.05 62.57,127.46 67.99,127.46 68.34,127.81 79.58,127.81 80.76,126.63 85.86,126.63 87.27,128.05 88.76,128.05 ; D1#2.1 v5(84.21,61.19) 83.71,61.69 78.21,61.69 76.31,59.8 ; 145.91,97.3 v2(144.16,97.3) ; 135.31,86.58 135.31,86.16 134.2,85.05 v2(129.81,85.05) ; v6(29.57,125.27) 29.99,124.85 32.15,124.85 32.51,124.49 43,124.49 v6(43.49,124) ; v2(137.18,126.81) 137.18,124.52 134.28,121.63 134.28,120.83 ; v2(32.18,119.73) 31.23,119.73 30.41,118.92 v6(28.25,118.92) ; v2(49.36,124.66) 49.65,124.37 50.66,124.37 50.66,123.05 ; v2(94.93,94.7) 95.21,94.43 96.19,94.43 ; 53.61,132.78 53.61,133.19 54.53,134.12 56.86,134.12 57.42,134.68 59.88,134.68 v2(61.12,133.43) ; 136.65,66.62 136.49,66.79 136.49,67.53 135.31,67.53 ; 42.51,82.83 42.51,82.03 44.31,80.23 44.31,78.91 ; 42.51,82.83 42.73,83.05 ; 129.81,122.5 129.9,122.41 133.42,122.41 135.31,124.3 135.31,124.68 ; v5(27.52,130.3) 28.49,130.3 ; 73.74,91.83 73.74,91.03 75.07,89.69 78.95,89.69 82.41,86.23 82.41,84.91 ; 88.76,147.1 v2(87.01,147.1) ; 58.29,108.43 58.29,108.03 ; 58.29,108.03 59.28,108.03 v2(59.58,108.32) ; 59.11,112.33 59.11,111.94 57.76,110.59 53.61,110.59 ; 73.66,111.13 73.66,110.33 77.37,110.33 v2(78.83,108.86) 82.41,105.28 82.41,103.96 ; SW3.2 12.82,23.05 10.74,25.13 SW3.1 9.51,26.41 8.82,27.1 v5(8.82,29.39) 8.9,29.46 8.9,35.85 17.98,44.92 17.98,50.8 27.95,60.77 27.95,85.45 27.16,86.23 27.16,127.13 27.16,127.13 27.9,127.87 29.35,127.87 ; 77.28,92.63 79.89,95.23 96.19,95.23 96.19,94.43 ; 59.11,131.38 60.29,131.38 60.61,131.05 62.3,131.05 ; v2(116.97,130.18) 117.44,130.65 117.44,131.68 116.26,131.68 ; 40.71,101.73 40.71,102.62 40.43,102.9 v2(40.43,103.41) 40.43,104.73 ; 101.46,102.73 v2(101.16,102.73) ; 91.81,123.63 v2(93.76,125.59) ; 126.86,97.3 126.86,98.62 125.85,98.62 v2(125.56,98.91) ; v2(70.02,136.2) 68.47,134.65 68.47,134.07 68.97,133.57 70.06,133.57 ; 158.61,132.86 158.61,131.53 158.9,131.24 158.9,130.67 157.21,128.98 154.81,128.98 153.55,127.72 145.42,127.72 144.82,127.13 143.84,127.13 ; 59.8,128.23 54.63,128.23 54.63,127.43 ; 37.71,111.73 37.71,107.81 v6(37.76,107.76) ; 40.06,70.73 40.06,70.35 39.2,69.49 v5(34.56,69.49) ; 33.51,111.73 33.51,108.58 v6(32.68,107.76) ; v5(35.61,125.27) 35.58,125.3 31.28,125.3 30.04,126.54 v6(28.25,126.54) ; v2(57.32,88.27) 60.32,88.27 68.52,80.07 72.73,80.07 73.31,79.49 79.6,79.49 82.63,82.51 89.33,82.51 ; v2(155.83,60.76) 158.61,57.98 158.61,49.76 155.33,46.47 144.12,46.47 144.03,46.57 144.01,46.57 v2(142.79,47.79) ; 117.82,92.67 117.44,93.06 117.44,93.58 116.26,93.58 ; v2(34.79,114.17) 37.26,114.17 37.49,114.4 39.29,114.4 39.8,113.9 39.8,112.73 ; 97.45,81.88 92.52,81.88 91.71,81.07 91.71,80.63 ; 97.45,81.88 v2(97.45,82.6) ; 120.82,119.17 120.51,119.48 120.51,120.81 ; 53.61,75.63 52.43,75.63 52.17,75.89 52.08,75.89 ; v2(104.74,125.46) 116.57,125.46 119.52,122.51 v2(121.55,122.51) ; v2(73.9,132.26) 76.96,132.26 78.16,133.46 78.16,133.88 79.34,133.88 79.34,133.9 v2(80.1,134.66) ; 139.3,103.73 137.6,102.03 135.47,102.03 135.46,102.03 134.49,102.03 ; 143.88,50.67 142.9,50.67 142.9,50.06 v2(142.68,49.84) ; 74.78,129.93 74.78,130.03 v2(76.06,130.03) 78.94,132.91 80.76,132.91 v2(82.56,134.7) ; v6(28.25,113.84) 30.21,113.84 31.5,115.13 34.08,115.13 34.32,115.36 v2(36.79,115.36) ; v2(114.13,110.2) 114.41,109.93 118.15,109.93 v2(119.89,111.67) 120.28,111.67 v2(120.82,112.21) ; 90.53,116.15 96.42,116.15 97.21,116.94 97.21,117.33 ; 158.61,94.76 158.61,90.46 157.89,89.74 157.89,88.27 154.89,85.27 154.84,85.27 154.4,84.82 154.4,84.01 153.43,84.01 ; 34.56,72.13 34.56,72.5 35.81,73.76 38.62,73.76 39.65,74.79 41.03,74.79 42.06,73.76 46.47,78.17 46.48,78.17 47.08,78.77 50.46,78.77 51.06,78.17 51.89,78.17 53.98,80.26 53.98,80.83 55.36,82.2 57.34,82.2 59.61,79.93 59.61,79.01 61.13,77.5 61.13,75.07 60.29,74.23 59.11,74.23 ; 69.83,77.09 69.83,77.8 67.66,79.98 v2(65.53,79.98) ; 69.83,77.09 68.66,77.09 ; 130.74,63.93 130.74,63.12 130.89,62.97 v2(130.89,62.19) 133.15,59.93 133.15,57.05 135.76,54.44 135.76,53.64 138.73,50.67 140.33,50.67 140.33,51.47 140.17,51.62 139.29,51.62 ; 101.46,87.41 101.46,88.73 100.16,90.03 v2(100.16,91.56) ; 96.19,132.13 96.19,132.53 ; 96.19,132.13 94.93,132.13 94.53,131.73 91.82,131.73 88.88,134.67 87.12,134.67 ; v2(36.3,130.35) 37.43,129.22 41.03,129.22 42.16,130.35 v6(44.79,130.35) ; v6(28.25,116.38) v5(31.65,116.38) ; 135.31,48.48 135.31,48.11 133.89,46.7 123.72,46.7 ; 92.64,94.43 v2(92.64,93.32) ; 125.56,135.41 v2(125.56,137.01) ; 125.56,135.41 126.84,135.41 126.86,135.4 ; 113.69,127.83 113.69,128.23 ; 113.69,128.23 113.69,128.63 114.23,128.63 v2(114.51,128.91) ; 113.69,128.23 112.46,127 v5(105.77,127) ; v6(40.3,107.76) 40.3,109.78 v2(39.81,110.28) 39.8,110.29 39.8,111.73 ; 145.91,116.35 v2(144.15,116.35) ; 29.54,130.3 28.21,130.3 ; 128.32,107.03 129.81,107.03 ; 143.89,82.53 142.91,82.53 142.83,82.45 v2(142.62,82.45) ; v6(29.57,127.81) 30.63,126.75 32.08,126.75 32.4,126.43 34.45,126.43 34.56,126.54 v6(43.49,126.54) 45.43,126.54 48.34,129.44 v2(51.12,129.44) ; 71.24,129.93 v2(69.96,129.93) ; 91.71,137.78 90.53,137.78 90.43,137.88 v2(90,137.88) ; v2(117.22,111.52) 117.44,111.73 117.44,112.63 116.26,112.63 ; 144.98,55.05 145.91,55.98 145.91,62.21 v2(145.78,62.34) ; 130.62,82.54 130.62,81.47 ; v2(91.24,120.04) 91.14,120.04 90.41,119.3 v2(84.28,119.3) ; v5(128.5,69.84) 128.63,69.7 128.63,68.93 129.81,68.93 ; 51.41,126.02 67.33,126.02 v2(67.96,125.39) 68.08,125.39 68.23,125.55 69.71,125.55 ; 131.78,51.38 130.89,51.38 129.81,50.3 129.81,49.88 ; 154.36,48.48 154.36,48.08 153.57,47.29 147.86,47.29 v2(147.14,48.01) ; 145.91,135.4 v2(144.16,135.4) ; 63.36,120.51 63.36,122.8 v2(61.51,124.66) ; v6(44.79,127.81) v2(38.07,127.81) ; 35.61,111.73 35.61,111.08 35.22,110.7 v6(35.22,107.76) ; D1#2.2 v5(91.21,61.19) ; v2(100.46,116.75) 98.03,114.33 98.03,113.53 ; v5(40.52,59.38) 39.26,59.38 ; v2(48.91,104) 50.66,104 ; v6(44.79,125.27) 39.29,125.27 38.53,126.03 34.92,126.03 34.83,125.95 31.85,125.95 31.77,126.02 ; 28.74,107.28 28.74,109.37 31.61,112.23 31.61,112.87 32.55,113.81 v2(32.94,113.81) ; 115.39,107.73 115.39,106.93 115.78,106.93 116.06,106.65 116.94,106.65 120.51,103.08 120.51,101.76 ; 69.71,106.5 v2(67.96,106.5) ; 125.82,69.9 123.33,72.4 ; 88.76,109 v2(87.01,109) ; v2(90.11,120.05) v2(87.8,120.05) ; 135.31,105.63 136.49,105.63 136.49,104.98 135.46,103.95 v2(131.99,103.95) ; 126.86,59.2 125.09,59.2